# KiCad board FD.02-01-2021.kicad_pcb (continued)
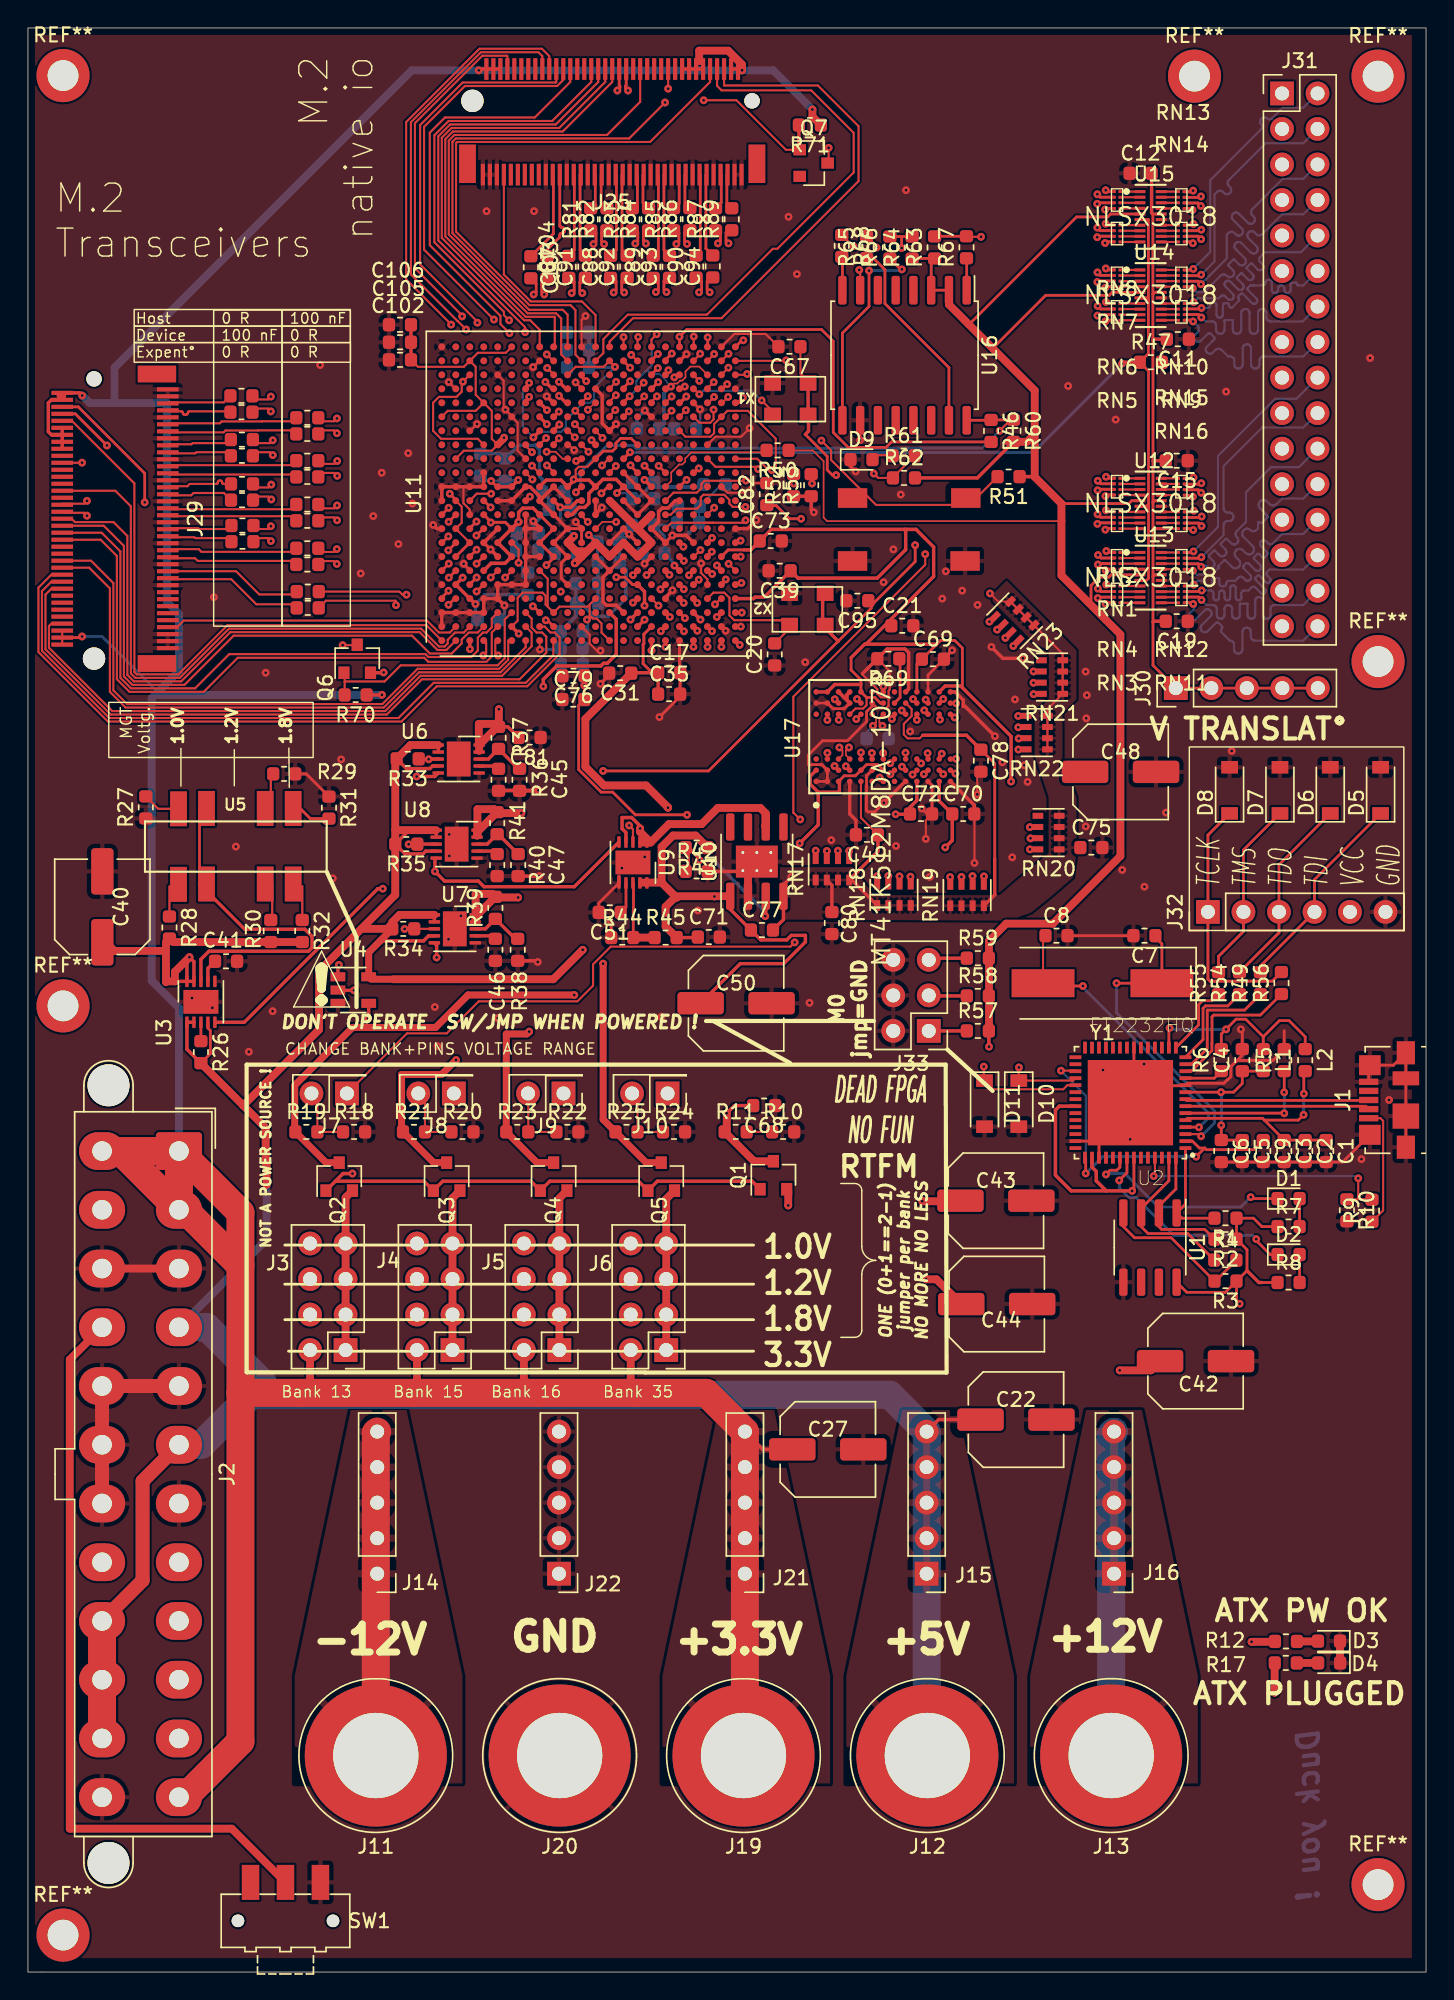
[diagram p0: board, top side]
## Nets (continued)
Net-(U11-PadK6): U11.K6
Net-(U11-PadK13): U11.K13
Net-(U11-PadK17): U11.K17
Net-(U11-PadL1): U11.L1
Net-(U11-PadL3): U11.L3
Net-(U11-PadL4): U11.L4
Net-(U11-PadL5): U11.L5
Net-(U11-PadL6): U11.L6
Net-(U11-PadL13): U11.L13
Net-(U11-PadM1): U11.M1
Net-(U11-PadM2): U11.M2
Net-(U11-PadM3): U11.M3
Net-(U11-PadM5): U11.M5
Net-(U11-PadM6): U11.M6
Net-(U11-PadM13): U11.M13
Net-(U11-PadM17): U11.M17
Net-(U11-PadM20): U11.M20
Net-(U11-PadN2): U11.N2
Net-(U11-PadN4): U11.N4
Net-(U11-PadN5): U11.N5
Net-(U11-PadN9): U11.N9
Net-(U11-PadN10): U11.N10
Net-(U11-PadN15): U11.N15
Net-(U11-PadN20): U11.N20
Net-(U11-PadP1): U11.P1
Net-(U11-PadP2): U11.P2
Net-(U11-PadP4): U11.P4
Net-(U11-PadP5): U11.P5
Net-(U11-PadP6): U11.P6
Net-(U11-PadP15): U11.P15
Net-(U11-PadP16): U11.P16
Net-(U11-PadP20): U11.P20
Net-(U11-PadR1): U11.R1
Net-(U11-PadR14): U11.R14
Net-(U11-PadR16): U11.R16
Net-(U11-PadR17): U11.R17
Net-(U11-PadT3): U11.T3
Net-(U11-PadT5): U11.T5
Net-(U11-PadT14): U11.T14
Net-(U11-PadT15): U11.T15
Net-(U11-PadT16): U11.T16
Net-(U11-PadU7): U11.U7
Net-(U11-PadU15): U11.U15
Net-(U11-PadU16): U11.U16
Net-(U11-PadU22): U11.U22
Net-(U11-PadV9): U11.V9
Net-(U11-PadV10): U11.V10
Net-(U11-PadV13): U11.V13
Net-(U11-PadV14): U11.V14
Net-(U11-PadV15): U11.V15
Net-(U11-PadW9): U11.W9
Net-(U11-PadW10): U11.W10
Net-(U11-PadW11): U11.W11
Net-(U11-PadW12): U11.W12
Net-(U11-PadW14): U11.W14
Net-(U11-PadW15): U11.W15
Net-(U11-PadW16): U11.W16
Net-(U11-PadY3): U11.Y3
Net-(U11-PadY9): U11.Y9
Net-(U11-PadY11): U11.Y11
Net-(U11-PadY12): U11.Y12
Net-(U11-PadY13): U11.Y13
Net-(U11-PadY16): U11.Y16
Net-(U11-PadY17): U11.Y17
Net-(U17-PadA3): U17.A3
Net-(U17-PadA7): U17.A7
Net-(U17-PadF1): U17.F1
Net-(U17-PadF9): U17.F9
Net-(U17-PadH1): U17.H1
Net-(U17-PadH9): U17.H9

Pads without a net: J25 59 60 61 62 63 64 65 66 MP; J29 59 60 61 62 63 64 65 66 MP; R10 1; R11 2; REF** 1; REF**#2 1; REF**#3 1; REF**#4 1; REF**#5 1; REF**#6 1; REF**#7 1; U16 4 5 6 11 12 13 14

## Via types
v1: diameter 0.56, hole 0.2, Top to B.Cu_GND_DDR, 580 vias

## Routing (per net, layer and track width the routed paths; a pad name or vN(x,y) marks a point on that pad's centre or on a via; arc(x,y) is an arc through that point)
+3.3V: length 433.1
  Top w0.15: J29.2 J29.4 ; J29.70 J29.74
  Top w0.2: J29.72 3.79,95.41 v1(3.87,95.49) ; R3.1 87.19,50.15 87.19,51.65 R2.1 R1.1 87.66,53.9 88.26,53.3 R7.1 ; R3.1 86.44,48.01 v1(86.67,47.78) ; R3.1 85.64,48.6 82.89,48.6 U1.8 ; L2.1 91.36,66.87 90.2,68.03 89.51,68.03 88.36,66.87 ; 88.26,49.3 R8.1 ; U2.16 81.61,67.45 v1(81.66,67.5) ; v1(78.98,55.85) 79.11,55.98 U2.50 ; R6.2 85.36,67.07 86.41,68.13 87.1,68.13 88.36,66.87 ; 88.36,66.87 L1.1
  Top w0.244: 88.26,49.3 88.04,49.3 87.19,50.15 ; J29.14 1.68,109.91 1.45,110.13 1.45,112.19 1.68,112.41 J29.4 ; J29.12 J29.18 ; v1(3.88,112.72) 3.69,112.91 J29.2
  Top w0.25: J25.4 J25.2 ; v1(32.24,135.97) 32.34,136.06 J25.70 ; J25.12 J25.18 ; U2.44 76.11,57.55 76.41,57.25 76.41,56.57 77.13,55.85 ; U2.36 73.77,61.91 73.49,61.63 73.49,56.98 74.62,55.85 77.13,55.85 ; 77.13,55.85 v1(78.98,55.85) ; v1(25.32,91.32) 25.31,91.31 R70.1 ; C27.1 52.55,37.37 J21.5
  Top w0.56: J4.2 27.82,41.56 27.67,41.41 ; 43.62,41.41 43.11,41.92 J6.2 ; R71.1 56.11,132.67 v1(56.11,133.17) ; 19.43,41.41 20.18,42.16 J3.2 ; 48.01,136.63 48.01,137.38 50.08,137.38 51.08,136.38 v1(51.08,135.97) ; 36.41,41.41 35.47,42.35 J5.2 ; 2.45,112.7 2.35,112.7 2.33,112.72
  Top w2: 15.2,41.41 15.2,16.49 11.21,12.5 ; 15.2,41.41 48.51,41.41 J21.5 51.28,15.58 ; 15.2,41.41 15.2,54.3 J2.1 ; 11.21,54.5 15.2,50.51 ; J2.1 J2.2 6.6,58.7 J2.13 J2.1
  In4.Cu_SigDDR w0.25: v1(81.66,67.5) 81.66,61.31 78.98,58.63 v1(78.98,55.85)
  In4.Cu_SigDDR w0.56: 74.45,46.89 74.45,53.19 77.11,55.85 v1(78.98,55.85) ; 74.45,46.89 85.78,46.89 v1(86.67,47.78) ; 74.45,46.89 59.53,46.89 J21.5
  B.Cu_GND_DDR w0.2: 9.28,91.53 5.32,95.49 v1(3.87,95.49)
  B.Cu_GND_DDR w0.21: v1(81.66,67.5) 81.76,67.4 v1(85.7,67.4)
  B.Cu_GND_DDR w0.56: J2.1 10.8,68.93 8.85,70.88 8.85,91.09 10.8,93.04 10.8,97.09 9.95,97.94 9.95,112.18 6.19,112.18 ; 48.02,135.97 v1(32.24,135.97) 27.45,135.97 6.19,114.71 6.19,112.18 ; 48.02,135.97 v1(51.08,135.97) 53.31,135.97 v1(56.11,133.17) ; 48.02,135.97 48.01,135.98 ; 9.08,91.32 v1(25.32,91.32) ; 6.19,112.18 4.42,112.18 v1(3.88,112.72)
+5V: length 273.8
  Top w0.2: U3.4 12.87,67.5 13.05,67.32 13.05,65.66 R26.2
  Top w0.244: U8.2 U8.1 27.27,81.64 R35.2 26.97,79.95 28.25,79.95 28.45,80.14 U8.4 ; U6.2 U6.1 ; U6.4 28.94,86.23 28.75,86.05 27.07,86.05 R33.2
  Top w0.25: U9.4 42.77,81.47 42.49,81.75 42.49,82.54 43.18,82.54 43.78,81.94 v1(43.78,81.77) 43.77,81.75 ; C22.1 65.14,39.5 J15.5 ; R26.2 11.37,65.98 U3.1 U3.2 ; U7.1 U7.2 ; U7.4 28.66,74.09 28.29,73.73 25.19,73.73
  Top w0.5: 26.13,70.98 24.54,70.98 ; R34.2 24.37,72.9 U4.5
  Top w0.56: 44.53,80.76 45.85,82.08 48.19,82.08 49.34,83.23 52.38,83.23 52.77,82.84 U10.6 52.71,81.93 ; 44.53,80.76 43.91,80.76 ; 44.53,80.76 43.78,81.51 v1(43.78,81.77) ; v1(17.07,56.29) 17.07,57.73 ; 17,57.8 17,60.35 15.4,61.96 ; 23.84,74.59 R34.2 26.06,75.06 26.58,75.59 U7.1 ; 26.27,81.68 26.31,81.64 U8.1 ; 26.27,81.68 26.27,86.64 ; 26.27,81.68 R35.2 26.27,77.02 20.82,71.57 20.82,67.38 15.4,61.96 ; R33.2 27.36,87.73 U6.1 ; 15.4,61.96 R26.2 ; v1(39.68,73.09) 37.57,70.98 26.13,70.98
  Top w1: J2.6 8.2,35.1 8.2,28 J2.21
  Top w2: J2.23 J2.21
  In4.Cu_SigDDR w0.56: v1(39.68,73.09) 39.68,77.66 v1(43.78,81.77)
  In4.Cu_SigDDR w2: 64.33,38.59 J15.5
  B.Cu_GND_DDR w0.25: 60.9,42.02 61.65,41.28
  B.Cu_GND_DDR w0.56: v1(17.07,56.29) 17.07,52.37 J2.4
  B.Cu_GND_DDR w1: J2.21 8.2,28 8.2,35.1 J2.6
  B.Cu_GND_DDR w2: J2.6 12.4,37.7 15.97,41.28 ; J2.4 12.8,46.1 16.8,42.1 15.97,41.28 ; 15.97,41.28 61.65,41.28 J15.5 64.28,15.53 ; J2.21 J2.23
+12V: length 116.2
  In2.Cu_SigDDR w2: J13.1 68.5,6.5 21.43,6.5 10.8,17.13 J2.10
  In4.Cu_SigDDR w0.2: J16.1 J16.5
  In4.Cu_SigDDR w2: J2.10 J2.11
  B.Cu_GND_DDR w2: J13.1 77.48,38.44 J16.5
-12V: length 98.1
  Top w2: J11.1 24.88,38.54 J14.5
  In4.Cu_SigDDR w1.5: J2.14 2.78,51.98 2.78,7.3 4.63,5.45 14.52,5.45 24.55,15.48
GND: length 327
  Top w0.12: U11.K15 38.69,109.2 v1(39.07,108.82) ; U11.H1 36.6,94.58 v1(36.62,94.56)
  Top w0.15: 59.69,92.83 59.69,92.78 60.75,91.71 60.75,91.4 61.01,91.14 61.55,91.14 ; U16.10 59.53,109.53 v1(59.52,109.53) ; v1(30.1,113.68) 30.58,113.2 U11.B19 ; U11.E20 34.03,113.77 34.03,111.83 v1(34.15,111.71) 34.6,111.26 U11.F17 35.03,110.77 35.03,108.77 U11.G14 ; U11.W18 v1(48.07,111.73) ; C78.2 67.9,85.56 v1(67.9,84.2) ; 36.56,115.18 v1(36.13,114.75) ; C82.2 51.93,106.45 51.24,105.77 50.03,105.77 U11.AA12 ; U11.L22 39.6,118.13 v1(39.88,118.41) ; v1(32.12,110.68) 31.64,110.2 U11.C16 ; C70.2 67.7,82.79 v1(67.7,79.3) ; v1(48.15,100.72) 48.15,100.03 48.6,99.58 U11.Y5 ; U11.L2 40.17,95.63 40.17,95 40.69,94.48 v1(40.95,94.48) ; 61.55,91.14 61.55,90.55 61.36,90.36 60.75,90.36 U17.F8 ; 61.55,91.14 61.55,91.61 61.64,91.69 61.64,93.02 R69.2 ; 31.15,106.2 31.15,105.02 31.6,104.57 U11.C10 ; U11.Y15 49.17,109.77 51,109.77 v1(51.62,110.39) ; U11.AA22 50.53,117.13 52.76,117.13 C67.2 ; v1(64.22,81.02) 64.22,82.35 C72.2
  Top w0.2: 80.07,63.37 82.53,63.37 82.57,63.41 ; U11.D8 v1(33.09,101.71) ; R44.1 41.72,74.86 C51.2 40.82,76.42 U9.6 ; U11.C6 31.6,100.25 v1(31.16,100.69) ; J1.6 94.03,57.91 C1.2 C6.2 ; v1(63.93,83.19) 64.32,82.8 C72.2 64.67,84.84 U17.L1 ; 59.98,93.13 R69.2 ; U17.L9 64.38,92.73 C69.2 ; v1(86.76,67.4) 86.86,67.3 C4.2 ; 60.4,90.71 60.4,90.53 59.98,90.11 59.98,89.4 58.62,88.04 56.84,88.04 55.82,87.02 55.82,86.33 56.78,86.33 U17.B2 U17.B1 U17.A1 ; J1.5 95.9,64.75 ; U17.D8 58.38,90.33 57.58,90.33 U17.B8 U17.A8 ; U17.F2 59.98,85.53 59.98,83.95 ; U2.41 76.11,59.41 ; J1.6 J1.6 J1.6 J1.6 97.67,64.84 J1.6 ; 76.61,59.91 U2.45 76.66,58.17 ; 89.86,67.3 R5.2 ; C8.2 C7.2 ; U2.21 79.11,62.41
  Top w0.21: C35.2 46.65,92.89 ; 59.98,83.95 59.97,83.94 59.97,83.06 60.08,82.95 60.57,82.95 v1(61.22,83.6) ; 86.49,65.18 86.04,64.73 86.04,64.01 85.82,63.8 85.79,63.8 85.54,63.55 82.93,63.55 U2.10 ; 86.49,65.18 86.86,65.55 C4.2 ; 86.49,65.18 89.05,65.18 R5.2 ; U11.L8 U11.L9 U11.K9 ; 45.6,102.23 v1(46.09,102.72) ; U11.J10 U11.K9 ; U11.K9 U11.J8 U11.K7 38.15,100.75 38.15,99.65 U11.K5 ; 46.65,91.21 v1(45.17,89.73) ; U11.M7 U11.N6 U11.P7 ; U11.V1 46.6,92.96 ; 46.62,115.2 v1(47.1,115.68) ; U11.P11 U11.R10 U11.T11 U11.R12 U11.P13 ; U11.K11 U11.J12 ; U11.N8 U11.P9 ; R31.1 19.91,85.67 R29.1 ; 39.6,103.26 v1(39.18,103.68)
  Top w0.244: U11.N6 41.13,99.73 41.13,97.97 41.37,97.73 42.07,97.73 U11.P3 ; 41.6,110.22 v1(42.06,110.68) ; U11.R8 v1(43,102.8) U11.P9 ; U11.E9 33.13,102.73 ; U11.J10 U11.H11 ; 37.57,112.2 v1(37.11,112.66) ; v1(61.22,83.6) 62.75,85.13 U17.J1 ; U17.D1 58.78,82.8 59.22,82.36 C49.2 ; U11.N16 41.07,110.73 41.07,112.73 U11.M19 ; 45.6,98.3 v1(46.1,98.8) ; U11.T7 v1(44.1,100.7) ; U11.U8 U11.T9 ; R52.1 R53.1 56.02,104.56 v1(56.21,104.37) ; 59.69,92.83 61.45,94.6 62.73,94.6 62.99,94.34 62.99,91.74 U17.J9 ; 44.57,111.2 v1(44.12,111.65)
  Top w0.25: v1(40.95,92.11) 41.57,92.73 C31.2 ; U11.G10 U11.G5 U11.F5 U11.E5 U11.E4 U11.D4 U11.D3 U11.A3 U11.A2 ; v1(28.98,103.47) 29.25,103.2 U11.A9 ; U11.T9 45.11,103.71 45.11,104.41 45.37,104.68 45.78,104.68 46.3,105.2 U11.V11 ; U9.6 42.27,78.33 ; U11.J12 U11.H11 36.6,105.51 35.91,106.2 U11.G12 U11.F11 U11.E11 ; 33.6,98.19 v1(34.08,97.71) ; U17.C9 U17.D8 ; U11.A11 U11.A12 U11.D12 U11.D13 ; 40.6,104.26 v1(41.05,104.71) ; v1(46.09,102.72) 47.08,102.72 U11.W8 ; U10.9 51.44,78.69 48.82,78.69 ; 81.11,59.91 U2.45 ; D9.1 58.83,107.66 v1(59.2,107.29) ; R36.1 36.49,84.45 v1(36.52,84.49) 33.69,84.49 ; v1(71.17,93.93) 69.73,93.93 v1(68.91,94.74) ; U17.N1 67.69,83.42 C70.2 ; v1(69.16,88.36) 67.03,90.49 66.9,90.49 66.9,90.95 66.32,91.53 U17.N9 ; U11.E7 v1(33.09,101.71) ; U11.D8 33.13,102.73 ; U11.G9 U11.H9 ; 36.6,103.28 v1(36.14,103.74) ; 58.58,90.93 58.58,91.33 U17.D9 ; U11.M11 U11.M10 ; R38.1 36.38,72.3 v1(36.46,72.22) ; v1(52.1,103.82) 51.48,103.2 U11.AB9 ; 59.51,100.4 59.79,100.4 ; U11.G7 U11.H7 ; 65.51,93.92 v1(66.1,94.5) ; 52.97,99.84 C39.2 ; R40.1 v1(36.58,78.36)
  Top w0.56: J2.15 J2.3 ; D3.1 93.85,22.11 ; U10.2 51.5,78.76
  Top w1: J2.5 J2.17 J2.19
  In4.Cu_SigDDR w0.25: v1(36.14,103.74) 36.2,103.68 v1(39.18,103.68)
  B.Cu_GND_DDR w0.15: v1(48.07,111.73) 48.07,110.6 C30.2 ; C13.2 49.63,106.36 ; C26.2 48,104.73
  B.Cu_GND_DDR w0.244: v1(44.1,100.7) 44.1,101.27 ; C96.1 38.11,95.84 ; v1(36.62,94.56) 38,94.56 C97.1 ; v1(43,102.8) 43,103.28 ; C23.2 36.78,106.76 36.58,106.96 36.58,108.88 36.29,109.17 35.1,109.17 C38.2 33.79,108.57 C25.2 ; C98.1 39.19,96.94 C28.2 39.19,99.28 C18.2 ; C16.2 43.55,111.08 v1(44.12,111.65) ; C32.2 36.5,102.84
  B.Cu_GND_DDR w0.25: C26.2 47.09,102.72 v1(46.09,102.72) ; v1(34.08,97.71) 34.08,97.03 C83.1 ; C28.2 39.59,97.84 40.49,96.94 41.51,96.94 42.76,98.19 42.76,100.33 C14.2 42.33,102.23 ; 42.45,102.25 v1(43,102.8) ; 42.31,102.59 C74.2 ; C23.2 37.25,105.36 C85.1 36.4,103.74 v1(36.14,103.74) 36.14,103.23 36.56,102.81
  vias: v1(11.73,69.64) v1(13.19,68.94) v1(13.3,98.3) v1(14.87,80.47) v1(15.8,65.8) v1(17,92.9) v1(17.5,68.7) v1(20.9,114.9) v1(21.8,78.2) v1(22.4,86.7) v1(23.8,100) v1(24.7,104.1) v1(25.3,107.2) v1(26.5,102.1) v1(27.2,108.6) v1(27.5,105) v1(29.1,69) v1(29.3,66.2) v1(30.13,81.34) v1(30.14,79.8) v1(30.08,73.84) v1(30.97,75.52) v1(32.8,125.9) v1(33.6,68.2) v1(36.2,125.9) v1(42.48,78.93) v1(44.11,79.73) v1(45.3,68.3) v1(47.92,75.9) v1(49.9,95.9) v1(54.4,125.5) v1(55,121.4) v1(55.59,93.66) v1(55.9,69.3) v1(57.46,80.93) v1(61.2,99.37) v1(61.9,101.72) v1(62.09,80.51) v1(62.43,105.64) v1(62.8,127.4) v1(63.1,88.7) v1(64.5,78.3) v1(65.4,98.2) v1(65.65,100.15) v1(66.82,98.77) v1(67.92,97.75) v1(69.7,86.5) v1(70.4,79.7) v1(70.6,90.99) v1(71.26,86.28) v1(71.5,85.1) v1(74.4,113.4) v1(75.65,92.98) v1(75.74,91.29) v1(75.7,89.64) v1(75.66,81.91) v1(76.89,64.49) v1(77.8,111) v1(78.27,78.8) v1(78.84,59.54) v1(79.83,64.92) v1(79.86,77.6) v1(81.4,82.9) v1(85.7,113) v1(86.1,87.3) v1(95.38,58.12) v1(96,115.4) v1(97.36,62.35)
VCCAUX: length 371.1
  Top w0.12: R50.1 56.13,108.8 56.91,108.02 56.91,103.99 57.16,103.74 73.91,103.74 73.92,103.75 ; U11.Y20 48.01,114.79 47.38,114.79 47.03,114.44 47.03,114.02 46.8,113.79 46.65,113.79 46.44,113.58 46.21,113.58 v1(45.99,113.36) 45.83,113.2 U11.U19
  Top w0.15: U11.M14 40.03,107.63 39.4,107.63 39.17,107.4 39.17,106.86 39.05,106.74 ; v1(44.97,117.1) 44.6,116.73 U11.T22
  Top w0.2: 69,116.09 72.79,119.88 77.33,119.88 77.55,120.1 U14.5 ; 73.92,104.99 78.74,104.99 78.95,105.2 U12.5 ; 67.31,117.8 75,125.49 77.23,125.49 77.44,125.7 U15.5 ; U11.M14 41.15,108.75 41.82,108.75 42.05,108.98 42.05,109.32 42.38,109.65 43.15,109.65 U11.R15 ; U16.2 U16.3 64.6,122.28 ; 42.6,112.23 v1(43.04,112.67) ; U13.5 77.48,99.9 77.32,99.74 76.64,99.74 76.04,99.14 76.04,97.74 77.11,96.67 ; 39.05,106.74 v1(39.03,106.72) ; R63.1 63.25,122.52 ; 33.54,106.2 v1(33.13,106.61)
  Top w0.21: U11.R11 U11.P12 ; 42.58,106.2 v1(42.13,105.75)
  Top w0.244: v1(68.74,73.73) 68.74,72.5 ; 34.6,106.21 v1(35.07,106.68)
  Top w0.25: R59.2 R57.2 68.73,66.17 v1(68.74,66.16) ; R51.1 71.99,106.92 72.01,106.9 ; U11.M12 41.12,106.72 42.08,106.72 U11.P12 ; U11.M12 40.12,105.72 40.12,105.02 39.82,104.72 39.42,104.72 38.9,104.2 U11.K10 ; U11.M12 40.12,106.68 39.08,106.68 U11.K12 38.12,106.68 37.08,106.68 U11.H12 ; v1(49.98,61.4) 50.53,61.95 C68.2 ; R62.2 67.91,106.83 R60.2 ; v1(25.44,92.92) 25.42,92.9 Q6.2 ; 44.59,106.2 v1(44.1,106.69) ; U11.E12 U11.F12
  Top w0.56: 72.01,109.97 72.01,106.9 73.92,104.99 73.92,99.85 78.14,95.64 78.14,79.79 73.31,74.96 69.97,74.96 v1(68.74,73.73) 68.74,67.3 ; 72.01,109.97 71.45,109.41 70.1,109.41 ; 72.01,109.97 72.01,113.09 65.88,119.22 U16.2 ; R11.1 51.93,57.97 Q1.3 ; v1(49.98,61.4) 49.98,60.22
  In2.Cu_SigDDR w0.244: J32.5 92.14,73.38
  In2.Cu_SigDDR w0.25: v1(43.04,112.67) 43.49,112.22 43.49,111.17 v1(39.03,106.72) 38.53,106.21 35.54,106.21 v1(35.07,106.68) ; v1(68.74,66.16) 68.74,68.72 73.4,73.38 92.14,73.38
  In2.Cu_SigDDR w0.56: 50.5,74.7 50.5,61.92 v1(49.98,61.4) ; 50.5,74.7 45.29,74.7 44.95,75.05 ; 50.5,74.7 53.08,72.13 59.83,72.13 61.43,73.73 v1(68.74,73.73) ; v1(25.44,92.92) 29.99,88.37 39.58,88.37 42.02,85.93 42.02,85.83 40.43,84.24 40.43,71.83 40.82,71.44 41.46,71.44 44.95,74.93 44.95,75.05 ; v1(39.03,106.72) 38.54,106.23 38.54,105.48 38.88,105.14 39.68,105.14 41.56,103.26 41.56,101.17 38.44,98.05 38.44,91.42 44.95,84.91 44.95,75.05
  B.Cu_GND_DDR w0.12: 44.27,114.55 44.58,114.24 45.17,114.24 45.71,113.7 45.71,113.64 v1(45.99,113.36)
  B.Cu_GND_DDR w0.15: v1(44.97,117.1) 44.6,116.73 44.6,114.88 43.53,113.8 43.53,113.16 v1(43.04,112.67)
  B.Cu_GND_DDR w0.2: 34.11,106.61 v1(33.13,106.61) 32.74,106.61 C25.1 ; v1(35.07,106.68) 35.03,106.64 C38.1
  B.Cu_GND_DDR w0.21: v1(42.13,105.75) 43.12,105.75 43.22,105.66
  B.Cu_GND_DDR w0.244: C30.1 C16.1 45.49,110.7 45.49,112.86 v1(45.99,113.36)
  B.Cu_GND_DDR w0.25: C84.2 43.61,105.34 C65.1 45.12,106.18 48.15,106.18 ; v1(44.1,106.69) 44.62,106.69
VCCBRAM: length 209.5
  Top w0.21: U11.N11 U11.P10 ; 40.6,102.26 v1(40.11,102.75) ; 37.6,101.11 v1(37.09,100.6) ; U11.H10 U11.J9 U11.H8 U11.J7 ; U11.M8 40.15,101.75 39.65,101.75 ; U11.D10 33.15,103.65 34.15,103.65 U11.F9 U11.E8 ; U11.K8 39.05,101.75 39.65,101.75 ; 39.65,101.75 39.6,101.7 U11.L7
  Top w0.244: U11.H10 36.13,104.67 35.39,104.67 35.09,104.38 35.09,103.68 ; C81.2 34.33,89.03 R37.2 32.27,87.64 ; U6.9 32.27,89.22 ; U11.P10 U11.R9 U11.T8 ; 35.08,103.68 U11.F9
  Top w0.25: U11.L11 39.3,105.2 38.82,104.72 v1(38.08,104.72) U11.J11 ; U11.D6 33.12,100.72 34.12,100.72 U11.F7 U11.E8 35.08,103.68
  Top w0.56: U11.L7 U11.K8 38.6,102.21 v1(39.06,102.67) ; U11.L7 39.13,100.73 v1(39.11,100.73) ; U11.L7 U11.M8 U11.N7 U11.P8 U11.R7 U11.T8 U11.N11 ; v1(33.68,90.29) 33.68,89.05 ; C42.1 80.31,43.02 v1(78.09,43.02) ; 35.09,103.68 35.08,103.68 ; U11.T10 U11.R9 ; R37.2 33.45,89.24 32.25,89.24 32.25,87.75 U6.10 33.57,89.03 ; 32.27,87.64 32.27,87.31
  In2.Cu_SigDDR w0.56: J6.8 41.88,50.86 41.88,43.88 42.74,43.02 v1(78.09,43.02)
  In4.Cu_SigDDR w0.5: v1(39.06,102.67) 36.1,102.67 35.09,103.68 v1(35.09,103.69)
  In4.Cu_SigDDR w0.56: J6.8 41.88,50.86 36.7,50.86 J5.8 34.24,50.86 29.05,50.86 J4.8 26.59,50.86 21.41,50.86 J3.8 29.68,61.59 31.73,61.59 37.24,67.1 37.24,86.73 v1(33.68,90.29) 37.36,93.97 37.36,95.99 37.7,96.33 37.7,96.97 37.27,97.4 37.27,98.89 v1(39.11,100.73) ; v1(37.09,100.6) 38.98,100.6
  B.Cu_GND_DDR w0.2: v1(38.08,104.72) 38.08,103.65 v1(39.06,102.67)
  B.Cu_GND_DDR w0.21: 40.73,100.79 C86.2 40.23,102.75 v1(40.11,102.75)
  B.Cu_GND_DDR w0.244: 34.99,102.81 34.99,103.58 35.09,103.68 ; C32.1 34.92,102.84
  B.Cu_GND_DDR w0.25: v1(38.08,104.72) 38.21,104.59 C85.2 38.83,105.36 C23.1 ; C28.1 40.77,100.75
  vias: v1(33.11,103.64)
VCCDDR_1.35V: length 237.1
  Top w0.15: U17.D7 59.19,90.34 59.74,90.34 59.98,90.58 59.98,91.13
  Top w0.2: U17.C1 58.38,85.53 59.18,85.53 U17.E2 59.98,86.33 60.78,86.33 U17.G2 ; U17.K9 63.58,93.51 C69.1 65.27,95.2 66.3,95.2 66.84,94.67 66.84,91.83 ; v1(42.08,99.73) 42.72,99.73 43.25,99.2 U11.R5 ; 58.88,93.97 58.88,93.09 59.58,92.39 U17.E9 59.98,91.13 60.57,91.13 60.97,90.73 U17.G8
  Top w0.21: U11.T2 44.05,95.65 44.05,94.98 44,94.93 44,93.55 44.65,92.9 C17.1 ; U11.AA7 50.08,101.68 51.21,101.68 ; U11.V6 v1(46.24,100.56)
  Top w0.244: 56.53,84.36 58.04,84.36 58.04,85.07 U17.C1 ; 56.53,84.36 55.96,84.93 55.96,85.51 U17.A2 ; 56.53,84.36 56.53,82.03 v1(55.2,80.7) ; C50.1 50.94,72.1 54.06,72.1 55.61,73.65 55.61,74.12 54.6,74.12 54.28,73.8 52.41,73.8 C77.1 50.23,75.98 U10.1 ; 64.15,102.52 64.78,101.89 64.78,99.78 59.94,94.94 ; U17.K1 63.58,83.77 63.09,83.28 C72.1 63.07,82.78 v1(62.06,82.78) ; v1(70.32,85.12) 70.32,88.35 66.72,91.95 65.6,91.95 U17.M9 ; U11.R5 44.1,98.7 v1(44.1,97.7) ; 59.94,94.94 64.89,94.94 64.95,94.88 ; 59.94,94.94 59.84,94.94 58.88,93.97 ; C17.1 43.18,92.9 ; R45.2 47.88,73.96 ; C35.1 45.07,92.89 ; U11.W3 v1(48.1,96.7) ; U17.A9 U17.B9
  Top w0.25: 62.78,103.15 63.52,103.15 64.15,102.52 ; 62.78,103.15 62.78,101.7 60.75,99.66 55.08,99.66 C39.1 52.67,98.31 52.01,98.31 51.9,98.2 U11.AB4 ; 62.78,103.15 53.17,103.15 C73.1 51.7,101.68 51.21,101.68 ; U17.B9 57.71,92.06 59.58,92.06 ; U17.M1 65.18,83.73 C70.1 66.11,80.91 v1(65.61,80.41)
  Top w0.56: R43.1 47.76,81.26 46.14,81.26 45.32,80.44 45.32,77.9 ; R45.2 45.61,74.75 45.61,76.16 46.25,76.81 ; C31.1 39.87,89.59 39.87,86.17 41.2,84.84 44.21,84.84 45.78,83.27 v1(45.78,83.25) ; U10.1 46.52,76.92 ; 45.32,77.9 43.92,77.9 ; 45.32,77.9 46.41,76.81
  In2.Cu_SigDDR w0.2: v1(44.1,97.7) 44.22,97.7 44.7,97.22 45.33,97.22 45.5,97.39 47.41,97.39
  In2.Cu_SigDDR w0.244: v1(48.1,96.7) 47.41,97.39
  In2.Cu_SigDDR w0.56: v1(46.24,100.56) 45.44,101.36 42.72,101.36 42.08,100.72 v1(42.08,99.73) 41.26,99.73 39.1,97.57 39.1,91.69 45.78,85.01 v1(45.78,83.25) 45.78,80.22 v1(49.1,76.9)
  In4.Cu_SigDDR w0.2: 45.81,75.36 v1(45.61,75.36)
  In4.Cu_SigDDR w0.244: 55.18,79.22 55.44,78.96 61.13,78.96 61.38,79.22 ; 55.18,79.22 55.2,79.23 v1(55.2,80.7) ; 55.18,79.22 50.91,79.22 49.1,77.41 v1(49.1,76.9) ; v1(62.06,82.78) 61.76,82.48 61.2,82.48 61.2,79.4 61.38,79.22 ; 61.38,79.22 61.67,78.93 64.13,78.93 v1(65.61,80.41) v1(70.32,85.12)
  B.Cu_GND_DDR w0.21: v1(46.24,100.56) 46.24,100.71 C52.1 45.53,102.69 C74.1 46.26,103.46 ; C26.1 46.43,104.73
VCCDDR_1.35V_VREF: length 118
  Top w0.12: RN23.4 69.38,98 v1(68.81,98.57)
  Top w0.15: RN23.4 74.01,94.24 RN21.4 RN21.1 72.92,90.3 RN22.4 RN22.1 ; 47.63,101.2 v1(48.1,101.67) ; C49.1 59.58,82.53 U17.E1 ; 64,88.43 63.78,88.21 62.92,88.21 62.64,88.48 62.64,89.24 63.21,89.81 63.21,90.3 U17.J8
  Top w0.2: C78.1 69.15,86.41 69.15,79.58 ; v1(47.14,82.74) 43.45,82.74 41.83,84.36 41,84.36 39.39,85.97 39.39,90.57 C79.2
  Top w0.21: 46.6,97.19 v1(46.99,96.8) ; 52.88,104.85 53.52,104.85 54.46,103.91 v1(55.3,103.91) ; C79.2 39.8,92.67
  Top w0.244: RN18.1 58.92,78.08 RN17.4 60.8,80.14 C49.1 ; U10.4 54.04,75.25 C77.2 ; RN17.2 57.5,77.72 C80.1 ; 54.04,77.74 v1(54.6,78.3) ; RN19.4 69.15,77.02 69.15,79.58
  Top w0.25: 64,88.43 67.13,88.43 68,87.56
  In2.Cu_SigDDR w0.12: v1(68.81,98.57) 68.81,100.01 64.91,103.91 v1(55.3,103.91)
  In2.Cu_SigDDR w0.2: v1(54.6,78.3) 54.6,79.48 52.88,81.2 48.68,81.2 v1(47.14,82.74) ; v1(39.79,91.99) 39.79,94.1 42.87,97.18 44.32,97.18 45.09,96.41 46.6,96.41 v1(46.99,96.8)
  In2.Cu_SigDDR w0.21: v1(48.1,101.67) 48.1,102.42 48.77,103.09 52.21,103.09 53.03,103.91 v1(55.3,103.91)
VCCFPGA_S0_PG: length 54
  Top w0.15: R33.1 27.98,86.71 v1(28.66,86.71)
  Top w0.244: U3.5 15.47,67.91 25.02,77.46 v1(25.38,77.46) ; U8.5 29.11,79.56 v1(29.11,78.69) 29.8,78 32.22,78 32.62,77.6 39.08,77.6 U9.5 ; 29.34,86.74 U6.3 28.68,86.73 v1(28.66,86.71) ; U7.5 29.23,73.42 v1(29.23,72.54)
  In4.Cu_SigDDR w0.15: v1(29.11,78.69) 28.66,79.14 v1(28.66,86.71)
  In4.Cu_SigDDR w0.244: v1(29.23,72.54) 28.24,72.54 25.38,75.4 v1(25.38,77.46) 27.88,77.46 v1(29.11,78.69)
VCCFPGA_S1_1.2V: length 94
  Top w0.244: 32.14,75.59 R39.2 ; U7.9 31.99,77.06
  Top w0.56: 31.99,75.2 32.02,75.22 32.02,77.09 33.22,77.09 R39.2 32.02,75.46 ; v1(35.06,76.83) 33.47,76.83 ; C43.1 66.66,55.11 v1(63.97,55.11)
  In2.Cu_SigDDR w0.56: J4.6 26.59,50.78 26.59,68.36 v1(35.06,76.83) ; J6.6 44.42,50.86 59.72,50.86 v1(63.97,55.11)
  In4.Cu_SigDDR w0.56: J3.6 21.41,48.32 26.59,48.32 J4.6 29.05,48.32 34.24,48.32 J5.6 36.7,48.32 41.88,48.32 J6.6
VCCFPGA_S1_1.8V: length 182.1
  Top w0.15: C67.1 55.25,114.3 55.6,113.95 ; 56.84,98.57 57.07,98.34
  Top w0.2: v1(57.81,107.03) 57.54,107.03 57.17,107.4 57.17,108.37 55.6,109.94 ; v1(63.46,102.02) 63.46,100.85 60.32,97.7 60.32,97.52 48.68,85.88 v1(41.14,85.88)
  Top w0.244: X1.1 X1.4 55.83,111.28 55.83,110.17 55.6,109.94 ; U8.10 33.65,83.17 ; U8.9 32.12,83.12 ; 57.94,95.14 57.94,95.17 56.84,96.27 56.84,98.57
  Top w0.56: C44.1 64.99,49.53 v1(64.24,49.53) ; v1(54.38,54.81) 54.38,55.86 ; 32.12,81.24 32.12,81.5 R41.2 33.35,83.14 32.15,83.14 32.15,81.35 32.12,81.32 ; v1(35.29,82.86) 33.63,82.86
  In2.Cu_SigDDR w0.2: v1(35.29,82.86) 38.12,82.86 v1(41.14,85.88)
  In2.Cu_SigDDR w0.56: v1(64.24,49.53) 58.46,49.53 57.25,48.32 44.42,48.32 J6.4 ; J3.4 21.49,48.32 23.31,48.32 25.43,50.44 25.43,70.03 28.41,73.01 28.41,75.98 v1(35.29,82.86)
  In4.Cu_SigDDR w0.2: v1(57.81,107.03) 58.3,107.03 63.31,102.02 v1(63.46,102.02)
  In4.Cu_SigDDR w0.56: v1(54.38,54.81) 54.38,53.92 46.24,45.78 44.34,45.78 J6.4 41.88,45.78 36.7,45.78 J5.4 34.24,45.78 29.05,45.78 J4.4 26.59,45.78 21.41,45.78 J3.4
VCCFPGA_S1_MGT: length 79
  Top w0.15: U11.B11 31.03,104.77 31.03,103.63 U11.B9 U11.C8
  Top w0.2: v1(30.17,105.69) 30.6,105.27 U11.B11 ; 31.08,101.67 31.08,101.68 ; 31.08,101.68 U11.C8 ; 31.08,101.68 U11.B7
  Top w0.244: U11.B5 U11.C4 ; U3.10 11.37,72.38 v1(11.55,72.56) 11.87,72.24 U3.9 9.93,70.83 ; 30.6,99.21 v1(31.09,99.7) ; 31.62,98.2 v1(32.01,97.81)
  Top w0.25: 10.11,73.89 R28.2
  Top w0.56: 5.31,73.89 6.19,73.01 9.87,73.01 ; 19.62,73.64 10.37,73.64 ; 9.87,73.01 9.87,70.77 ; 9.87,73.01 9.87,73.64 ; 9.93,70.83 10.51,70.83 10.51,71.52 v1(11.55,72.56)
  In2.Cu_SigDDR w0.2: v1(30.17,105.69) 30.58,105.28 30.58,100.21 v1(31.09,99.7)
  In4.Cu_SigDDR w0.56: v1(32.01,97.81) 25.98,91.78 25.98,86.99 v1(11.55,72.56)
  B.Cu_GND_DDR w0.2: 31.09,99.64 31.08,99.63
  B.Cu_GND_DDR w0.244: v1(32.01,97.81) 32.01,96.82
  B.Cu_GND_DDR w0.25: R48.1 32.68,98.48 v1(32.01,97.81)
VCCFPGA_S1_PG: length 47.4
  Top w0.25: Q2.1 22.53,57.09 v1(23.21,57.09) ; 21.99,56.55 28.32,56.55 Q3.1 29.67,56.55 35.97,56.55 Q4.1 37.32,56.55 43.67,56.55 Q5.1 45.02,56.55 51.79,56.55 Q1.1 ; v1(24.34,68.17) 24.37,68.2 U4.4
  In2.Cu_SigDDR w0.25: v1(24.34,68.17) 24.34,58.22 v1(23.21,57.09)
VCCFPGA_S1_VARIABLE_V1: length 99
  Top w0.12: 47.67,107.2 v1(47.98,107.51)
  Top w0.15: U11.V16 47.03,109.77 48.82,109.77 49.08,110.03 49.08,110.68 U11.AA17 50.03,111.63 51.49,111.63 53.49,109.63 53.49,107.67 v1(53.21,107.39) 52.97,107.39 52.16,108.2 U11.AB14 ; 48.6,104.22 v1(49.08,104.7)
  Top w0.5: v1(39.08,69.86) 31.48,69.86 29.16,67.54 23.22,67.54 19.08,63.4 19.08,60.12 ; Q2.3 21.33,57.87 R19.1
  In2.Cu_SigDDR w0.15: v1(47.98,107.51) 48.39,107.92 52.68,107.92 v1(53.21,107.39)
  In4.Cu_SigDDR w0.2: v1(47.98,107.51) 47.64,107.17 46.45,107.17 44.66,105.38
  In4.Cu_SigDDR w0.25: v1(49.08,104.7) 48.27,103.89 46.14,103.89 44.66,105.38
  In4.Cu_SigDDR w0.5: 44.66,105.38 39.01,99.73 39.01,90.44 38.5,89.93 38.5,89.33 39.01,88.82 39.01,69.93 v1(39.08,69.86)
VCCFPGA_S1_VARIABLE_V2: length 85.1
  Top w0.15: U11.C21 32.03,114.77 32.03,112.77 U11.D18 ; U11.C21 31.17,114.77 27.89,114.77 C102.2 ; U11.C21 32.17,115.77 34.17,115.77 U11.F22 ; U11.D18 32.03,111.63 30.03,111.63 U11.A17 ; U11.D18 33.17,111.63 33.17,109.63 U11.E15 33.17,108.77 31.17,108.77 U11.B14
  Top w0.244: C106.2 C102.2
  Top w0.5: v1(34.05,109.71) 34.05,109.65 U11.E15 ; R21.1 29.02,57.87 Q3.3 ; v1(30.62,65.21) 29.58,64.17 26.72,64.17 26.72,60.17
  In4.Cu_SigDDR w0.5: v1(34.05,109.71) 33.76,109.42 33.76,101.91 33.85,101.82 33.85,100.34 34.43,100.34 34.76,100.01 34.76,99.4 32.42,97.06 32.42,96.33 30.98,94.89 30.98,94.29 31.95,93.32 31.95,66.54 v1(30.62,65.21)
VCCFPGA_S1_VARIABLE_V3: length 85.7
  Top w0.15: U11.K20 39.17,114.77 41.17,114.77 U11.N21 ; 37.6,107.24 v1(37.12,107.72) ; 35.6,113.37 v1(35.85,113.62) ; 39.58,111.2 v1(39.15,111.63) ; 41.6,115.16 v1(41.99,114.77)
  Top w0.244: 36.6,110.18 v1(36.15,109.73)
  Top w0.5: v1(35.85,67.24) 35.68,67.07 34.21,67.07 R23.1 36.41,57.87 Q4.3
  In4.Cu_SigDDR w0.15: v1(37.12,107.72) 37.1,107.72 36.51,108.31 36.51,109.37 v1(36.15,109.73)
  In4.Cu_SigDDR w0.5: v1(35.85,67.24) 35.74,67.35 35.74,82.38 35.92,82.56 35.92,83.3 33.05,86.17 33.05,92.62 35.81,95.38 35.81,97.02 35.48,97.35 35.48,97.95 35.81,98.28 35.87,98.28 35.87,102.01 34.44,103.44 34.44,108.02 v1(36.15,109.73)
  B.Cu_GND_DDR w0.15: v1(35.85,113.62) 35.39,113.17 35.39,110.49 v1(36.15,109.73) 36.56,110.14 38.17,110.14 38.47,110.43 38.47,110.95 v1(39.15,111.63) 39.73,112.21 40.26,112.21 40.5,112.45 40.5,113.28 v1(41.99,114.77)
  B.Cu_GND_DDR w0.244: C101.2 C99.2 41.94,114.72 v1(41.99,114.77)
VCCFPGA_S1_VARIABLE_V4: length 72.5
  Top w0.15: U11.N1 41.03,95.77 41.03,96.42 40.68,96.77 40.4,96.77 40.29,96.88 ; U11.H6 37.17,99.63 37.17,97.63 ; U11.M4 40.03,97.63 38.03,97.63 U11.J3 37.03,97.77 37.03,98.4 36.8,98.63 35.4,98.63 35.03,98.25 35.03,96.63 U11.F2 ; 40.08,96.63 40.08,96.67 40.29,96.88 ; 40.29,96.88 40.17,97 40.17,97.77
  Top w0.25: U11.F2 v1(35.1,95.7) ; v1(31.61,94.59) 31.6,94.6 U11.C1
  Top w0.5: v1(41.14,72.1) 41.14,60.95 R25.1 44.22,57.87 Q5.3
  In2.Cu_SigDDR w0.5: v1(41.14,72.1) 41.14,82.24 41.45,82.55 41.45,84.37 42.65,85.57 42.65,86.31 39.97,89 38.83,89 37.81,90.02 37.81,96.81 37.34,97.28 36.68,97.28 v1(35.1,95.7)
  In4.Cu_SigDDR w0.25: v1(31.61,94.59) 32.72,95.7 v1(35.1,95.7)
  B.Cu_GND_DDR w0.15: C98.2 40.08,96.25 40.08,96.63
  B.Cu_GND_DDR w0.244: C96.2 39.69,95.84
  vias: v1(39.99,96.7)
VCCFPGA_S1_VREF_V1: length 88.9
  Top w0.15: v1(54.84,73.62) 54.53,73.31 41.68,73.31 40.42,72.05 40.42,70.53 39.3,69.4 32.24,69.4 29.95,67.11 27.11,67.11 J7.1 ; v1(64.18,101.38) 64.18,100.62 54.74,91.18 54.74,82.87 54.78,82.87 v1(55.24,82.41) ; U11.Y14 49.17,107.63 52.06,107.63 v1(52.23,107.46)
  In2.Cu_SigDDR w0.15: v1(54.84,73.62) 55.12,73.9 55.12,80.11 54.74,80.48 54.74,81.91 v1(55.24,82.41)
  In4.Cu_SigDDR w0.15: v1(52.23,107.46) 52.71,107.94 57.88,107.94 63.34,102.48 63.68,102.48 64.18,101.97 v1(64.18,101.38)
VCCFPGA_S1_VREF_V2: length 87.5
  Top w0.15: U11.C20 v1(31.11,113.71) 31.03,113.63 31.03,113 30.65,112.63 29.4,112.63 28.98,112.21 28.98,110.19 29.55,109.63 32.17,109.63 U11.D15
  In4.Cu_SigDDR w0.15: J8.1 25.57,67.71 15.72,67.71 11.09,72.34 11.09,100.75 24.69,114.35 30.47,114.35 v1(31.11,113.71)
VCCFPGA_S1_VREF_V3: length 56.5
  Top w0.12: v1(37.1,108.7) 37.74,108.7 38.24,108.2 U11.K14